# Altium PCB RevA2.PcbDoc (part 6 of 6)
Units mm, origin at the board's own origin, x right, y up, seen from the top; angles counter-clockwise.
Board outline 173 x 171 mm, 2 copper layers (Top Layer, Top, Bottom Layer, Bottom); 316 components, 437 nets, 1976 pads, 936 vias.
Unrouted connection lines stored in the file: 219.
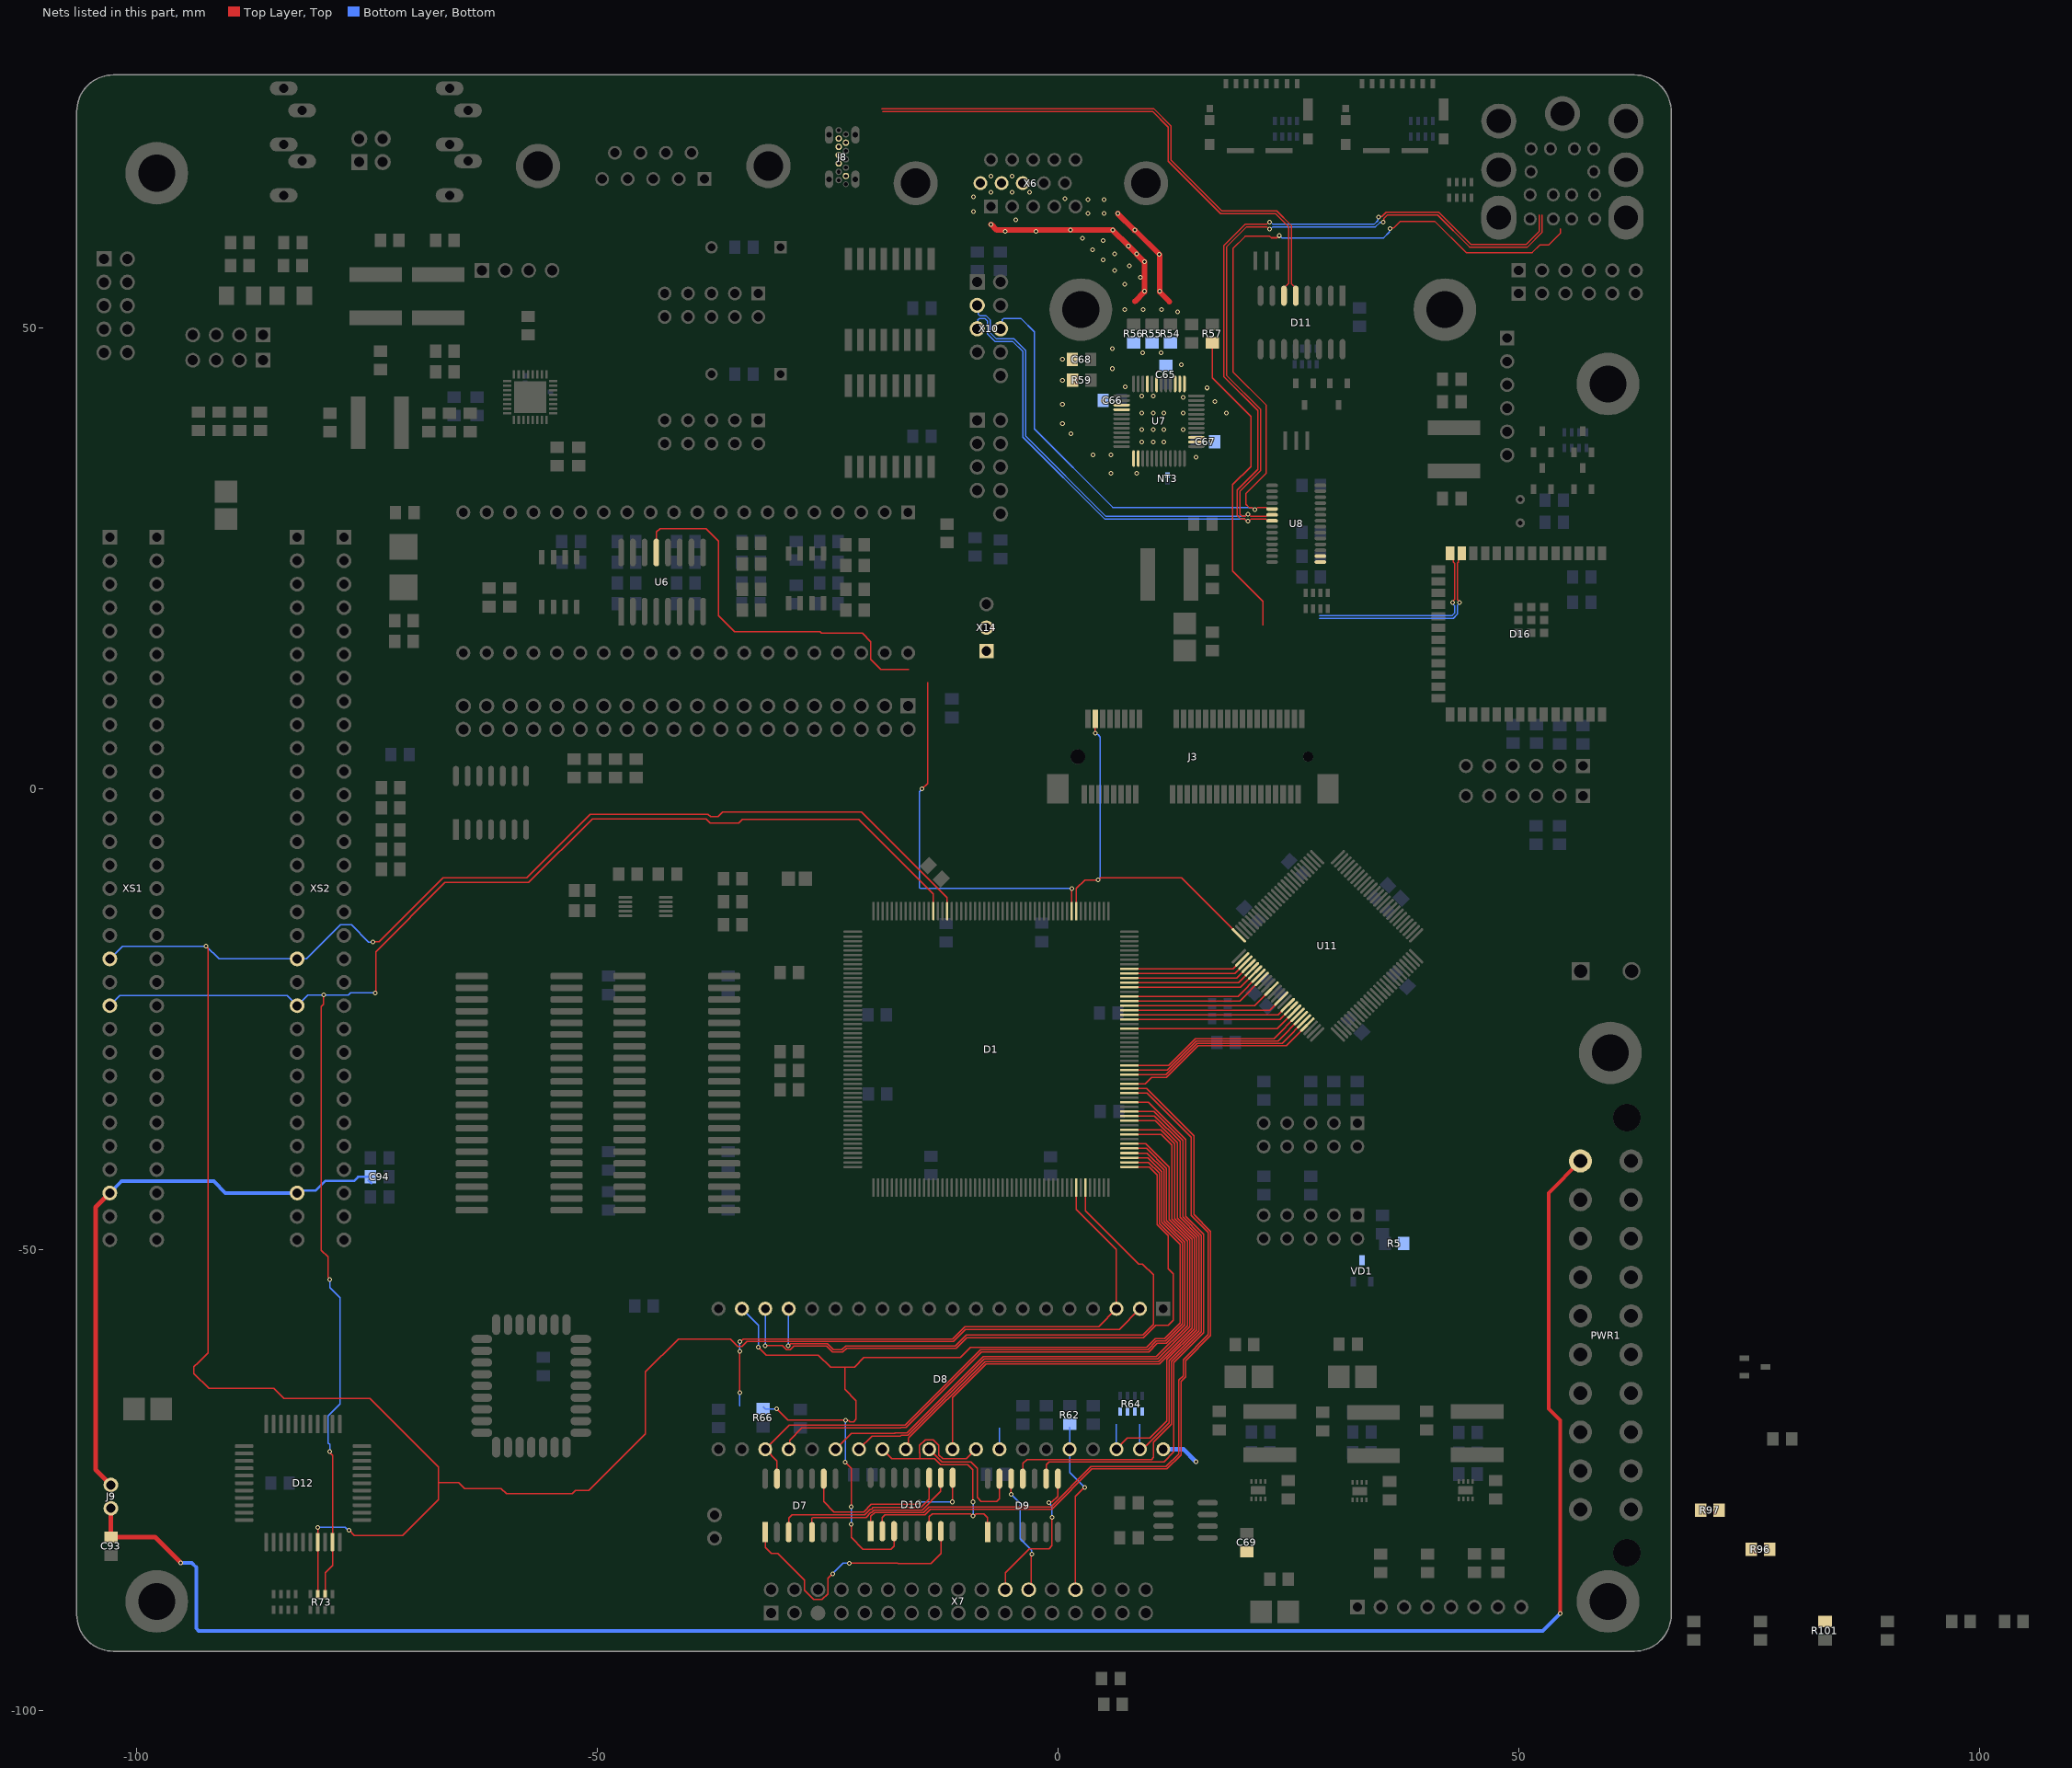
[diagram p6: the nets of this part, all layers, seen from the top]

## Via types
v1: diameter 0.5, hole 0.3, Top Layer, Top to Bottom Layer, Bottom, tented both sides, 925 vias
v2: diameter 0.5, hole 0.2, Top Layer, Top to Bottom Layer, Bottom, 6 vias
v3: diameter 1, hole 0.5, Top Layer, Top to Bottom Layer, Bottom, tented both sides, 4 vias
v4: diameter 1, hole 0.5, Top Layer, Top to Bottom Layer, Bottom, 1 vias

## Nets (pads, with @x,y where several pads share a name; then routed paths per layer and width w, separated by ;. In a path a pad name is that pad's centre, name@x,y a point inside that pad or via, vN(x,y) a via of type N, cw(c..) or ccw(c..) an arc to the next point about the centre after c; other vN are vias at no path point) (continued)
USB3_8_p: U8.5 X10.6 | length 116.7
  Top Layer, Top w0.15: U8.5@23.25,30.371 22.782,30.371 22.612,30.541 22.261,30.541 21.694,30.541 21.469,30.316 v1(21.381,30.316) 21.293,30.316 21.068,30.541 20.739,30.541 20.413,30.867 20.413,32.056 22.625,34.268 22.625,41.626 19,45.251 19,58.624 20.327,59.951 23.003,59.951 23.164,59.79 23.784,59.79 24.009,60.015 v1(24.045,60.015) ; v1(36.039,60.789) 36.101,60.851 36.419,60.851 37.118,61.55 40.935,61.55 44.303,58.181 51.473,58.181 52.292,59 53.248,59 54.532,60.284 54.532,60.75
  Bottom Layer, Bottom w0.15: X10.6@-6.21,49.92 -6.026,50.104 -6.026,50.882 -5.851,51.056 -4.011,51.056 -2.55,49.596 -2.55,39.051 5.96,30.541 21.068,30.541 21.293,30.316 v1(21.381,30.316) ; v1(24.045,60.015) 24.076,60.015 24.308,59.783 35.352,59.783 35.977,60.409 35.977,60.727 v1(36.039,60.789)
USB4_8_n: U8.6 X10.3 | length 121
  Top Layer, Top w0.15: v1(23,60.75) 22.912,60.75 22.687,60.975 20.475,60.975 18.3,58.8 18.3,44.875 22,41.175 22,34.541 19.75,32.291 19.75,29.812 20.001,29.561 20.312,29.561 20.537,29.786 v1(20.625,29.786) 20.713,29.786 20.938,29.561 22.612,29.561 22.782,29.731 U8.6@23.25,29.731 ; v1(35.319,61.509) 35.381,61.571 35.381,61.889 35.742,62.25 41.209,62.25 44.674,58.785 50.96,58.785 52.55,60.376 52.55,62.24
  Bottom Layer, Bottom w0.15: X10.3@-8.75,52.46 -8.641,52.351 -8.641,51.498 -8.5,51.356 -7.801,51.356 -7.31,50.866 -7.31,49.464 -6.666,48.82 -4.743,48.82 -3.5,47.577 -3.5,38.29 5.229,29.561 20.312,29.561 20.537,29.786 v1(20.625,29.786) ; v1(23,60.75) 23.088,60.75 23.313,60.975 34.467,60.975 34.939,61.447 35.257,61.447 v1(35.319,61.509)
USB4_8_p: U8.7 X10.5 | length 121.6
  Top Layer, Top w0.15: v1(23,61.5) 22.912,61.5 22.687,61.275 20.351,61.275 18,58.924 18,44.751 21.7,41.051 21.7,34.666 19.45,32.416 19.45,29.688 19.877,29.261 20.312,29.261 20.537,29.036 v1(20.625,29.036) 20.713,29.036 20.938,29.261 22.612,29.261 22.782,29.091 U8.7@23.25,29.091 ; v1(34.789,62.039) 34.851,62.101 35.169,62.101 35.618,62.55 41.333,62.55 44.798,59.085 50.835,59.085 52.25,60.5 52.25,62.24
  Bottom Layer, Bottom w0.15: X10.5@-8.75,49.92 -8.674,49.996 -8.674,50.882 -8.5,51.056 -7.925,51.056 -7.61,50.741 -7.61,49.34 -6.79,48.52 -4.867,48.52 -3.8,47.453 -3.8,38.166 5.105,29.261 20.312,29.261 20.537,29.036 v1(20.625,29.036) ; v1(23,61.5) 23.088,61.5 23.313,61.275 34.343,61.275 34.727,61.659 34.727,61.977 v1(34.789,62.039)
USB_1_n: D16.13 R96.1 X14.1 | length 22.2
  Top Layer, Top w0.15: v1(43.574,20.227) 43.574,20.315 43.349,20.54 43.349,22.891 43.347,22.893 43.347,24.483 43.461,24.596 43.461,25.204 D16.13@43.832,25.575
  Bottom Layer, Bottom w0.15: 28.382,18.504 34.613,18.504 34.62,18.51 42.904,18.51 43.346,18.951 43.346,19.915 43.574,20.143 v1(43.574,20.227)
USB_1_p: D16.14 R97.1 X14.2 | length 21.7
  Top Layer, Top w0.15: D16.14@42.562,25.575 42.934,25.203 42.934,24.589 43.047,24.475 43.047,22.743 43.049,22.741 43.049,20.54 42.824,20.315 v1(42.824,20.227)
  Bottom Layer, Bottom w0.15: 28.382,18.804 34.489,18.804 34.495,18.81 42.78,18.81 43.046,19.075 43.046,19.884 42.824,20.106 v1(42.824,20.227)
USB_DEV_8_n: D11.6 J8.B7 | length 59.1
  Top Layer, Top w0.15: -19,73.5 10.27,73.5 11.97,71.8 11.97,68.106 17.668,62.407 23.623,62.407 25.025,61.006 25.025,54.82 24.63,54.425 24.63,53.59 D11.6@24.54,53.5
USB_DEV_8_p: D11.5 J8.B6 | length 59.7
  Top Layer, Top w0.15: -19.124,73.8 10.394,73.8 12.27,71.924 12.27,68.23 17.793,62.707 23.748,62.707 25.325,61.13 25.325,54.819 25.72,54.425 25.72,53.59 D11.5@25.81,53.5
USB_HOST_8_n: R96.2 U8.15
USB_HOST_8_p: R97.2 U8.16
V\G\_\C\S\_1: D1.45 D8.3 R64.1 | length 64.2
  Top Layer, Top w0.127: v1(-34.504,-60.994) v1(-34.504,-65.496) v1@-34.5,-65.5 ; v1(-34.5,-59.938) -34.412,-59.938 -34.141,-59.667 -11.439,-59.667 -10.09,-58.318 4.432,-58.318 D8.3@6.36,-56.39 6.36,-49.959 2,-45.599 D1.45@2,-43.25
  Bottom Layer, Bottom w0.127: v1(-34.504,-65.496) -34.504,-66.896 -34.5,-66.9 ; v1(-34.504,-60.994) -34.502,-60.992 -34.502,-59.94 v1(-34.5,-59.938)
V\G\_\R\E\S\_1: D1.54 D8.19 D10.3 R66.2 | length 111.5
  Top Layer, Top w0.127: v1(-32.509,-60.538) -31.627,-61.42 -25.978,-61.42 -24.666,-62.733 -23.113,-62.733 ; v1(-30.5,-67.25) -29.28,-68.47 v1(-23.035,-68.47) -23.014,-68.492 -22.688,-68.492 -22.535,-68.645 -22.151,-68.645 -21.88,-68.373 -21.88,-66.372 -23.113,-65.138 -23.113,-62.733 ; v1(-23.085,-73.01) -22.41,-73.685 v1(-22.41,-77.872) ; v1(-22.41,-79.78) -22.41,-81.2 -21.144,-82.466 -18.111,-82.466 -17.77,-82.125 D10.3@-17.77,-80.52 ; D1.54@7.8,-40.5 9.854,-40.5 11.039,-41.685 11.039,-47.136 13.285,-49.382 13.285,-57.937 11.579,-59.642 10.59,-59.642 9.652,-60.58 -9.478,-60.58 -10.597,-61.699 -21.042,-61.699 -22.076,-62.733 -23.113,-62.733
  Bottom Layer, Bottom w0.127: D8.19@-34.27,-56.4 -32.504,-58.166 -32.504,-60.533 v1(-32.509,-60.538) ; R66.2@-31.975,-67 -31.725,-67.25 v1(-30.5,-67.25) ; v1(-23.085,-73.01) -23.06,-72.986 -23.06,-68.495 v1(-23.035,-68.47) ; v1(-22.41,-79.78) v1(-22.41,-77.872)
V_GND: C65.2 C66.2 C67.2 C68.2 NT3.2 R54.1 R55.1 R56.1 R59.1 U7.1 U7.2 U7.14 U7.15 U7.25 U7.26 U7.27 U7.31 U7.33 U7.39 U7.40 X6.6 X6.7 X6.8 | length 35
  Top Layer, Top w0.6: v1(-7.25,61.25) -6.626,60.626 v1(5.958,60.626) v1(7.679,58.905) v1(9.4,57.184) 9.4,53.917 8.366,52.884 ; v1(6.497,62.42) 8.329,60.589 8.411,60.589 11.05,57.95 11.05,53.917 12.109,52.859
  other v1: 5.75,34.25 8.575,34.25 15,36 3.825,36.25 5.75,36.25 9.119,37.645 10.331,37.645 11.5,37.645 16.629,37.751 1.405,38.539 9.119,39 10.331,39 11.5,39 13.575,39 0.5,39.645 9.119,40.795 10.331,40.795 11.5,40.795 13.575,40.795 18.3,40.795 0.5,41.75 17.052,42.039 4.925,42.145 13.575,42.495 9.119,42.645 10.331,42.645 16.207,43.5 7.331,43.62 0.5,44.345 5.9,45.595 13.375,46 0.5,46.595 9.225,47.32 11.225,47.32 5.9,47.75 13,51.75 7.25,52 9.25,52 11.25,52 9.4,54 11.05,54 7.25,54.75 8.95,55.5 6.175,56.25 7.75,56.75 4.904,57.401 11,58 6.175,58.045 8.539,58.045 3.75,58.5 4.904,59.5 2.66,59.75 -5.71,60.511 -2.377,60.511 1.38,60.626 8.366,60.626 -4.56,61.751 3.25,62.42 5,62.42 -9.14,62.64 3.25,63.92 5,63.92 0.77,64.013 -9.14,64.25 -7.25,64.75 -4.96,64.75 -3.06,64.75 -7.25,66.46 -4.96,66.46
VCC12: C93.1 J9.0 PWR1.10 | length 220.3
  Top Layer, Top w0.4: v1(54.5,-89.453) 54.5,-68.471 53.25,-67.221 53.25,-43.819 PWR1.10@56.706,-40.363
  Top Layer, Top w0.5: J9.0@-102.75,-78.04 C93.1@-102.75,-81.151 -97.96,-81.151 v1(-95.152,-83.959)
  Bottom Layer, Bottom w0.4: v1(-95.152,-83.959) -93.97,-83.959 -93.5,-84.43 -93.5,-91.047 -93.213,-91.334 -36.824,-91.334 -36.818,-91.34 -22.642,-91.34 -22.636,-91.334 52.62,-91.334 v1(54.5,-89.453)
VCC12S: C94.1 J9.1 XS1.B29 XS2.B29 | length 63.9
  Top Layer, Top w0.5: XS1.B29@-102.86,-43.83 -104.424,-45.394 -104.424,-73.826 J9.1@-102.75,-75.5
  Bottom Layer, Bottom w0.254: XS2.B29@-82.54,-43.83 -82.282,-43.572 -80.542,-43.572 -79.501,-42.531 -76.364,-42.531 -75.923,-42.09 C94.1@-74.583,-42.09 ; C94.1@-74.795,-42.455 C94.1@-74.5,-42.75
  Bottom Layer, Bottom w0.4: XS1.B29@-103.16,-44.13 XS1.B29@-102.86,-43.83 -101.583,-42.553 -91.603,-42.553 -90.326,-43.83 XS2.B29@-82.54,-43.83
VDAT0: D1.96 U11.52 | length 12.7
  Top Layer, Top w0.127: D1.96@7.75,-19.5 19,-19.5 U11.52@20,-18.5
VDAT1: D1.94 U11.54 | length 13.5
  Top Layer, Top w0.127: D1.94@7.75,-20.5 19.414,-20.5 U11.54@20.707,-19.207
VDAT2: D1.92 U11.56 | length 14.3
  Top Layer, Top w0.127: D1.92@7.75,-21.5 19.829,-21.5 U11.56@21.414,-19.914
VDAT3: D1.89 U11.58 | length 15.4
  Top Layer, Top w0.127: D1.89@7.75,-23 19.743,-23 U11.58@22.121,-20.621
VDAT4: D1.87 U11.64 | length 17
  Top Layer, Top w0.127: D1.87@7.75,-24 22.986,-24 U11.64@24.243,-22.743
VDAT5: D1.85 U11.67 | length 18
  Top Layer, Top w0.127: D1.85@7.75,-25 24.107,-25 U11.67@25.303,-23.803
VDAT6: D1.75 U11.69 | length 20.5
  Top Layer, Top w0.127: D1.75@7.75,-30 12.01,-30 14.918,-27.092 23.429,-27.092 U11.69@26.01,-24.51
VDAT7: D1.73 U11.71 | length 21.4
  Top Layer, Top w0.127: D1.73@7.75,-31 11.729,-31 15.129,-27.6 24.335,-27.6 24.635,-27.3 U11.71@26.718,-25.218
VDAT8: D1.71 U11.72 | length 22
  Top Layer, Top w0.127: D1.71@7.75,-32 9.498,-32 10.198,-31.3 11.788,-31.3 15.234,-27.854 24.788,-27.854 25.042,-27.6 U11.72@27.071,-25.571
VDAT9: D1.74 U11.70 | length 20.9
  Top Layer, Top w0.127: D1.74@7.75,-30.5 11.87,-30.5 15.023,-27.346 23.882,-27.346 U11.70@26.364,-24.864
VDAT10: D1.83 U11.68 | length 18.7
  Top Layer, Top w0.127: D1.83@7.75,-26 23.814,-26 U11.68@25.657,-24.157
VDAT11: D1.86 U11.66 | length 17.6
  Top Layer, Top w0.127: D1.86@7.75,-24.5 23.9,-24.5 U11.66@24.95,-23.45
VDAT12: D1.88 U11.61 | length 16.2
  Top Layer, Top w0.127: D1.88@7.75,-23.5 21.364,-23.5 U11.61@23.182,-21.682
VDAT13: D1.90 U11.57 | length 14.9
  Top Layer, Top w0.127: D1.90@7.75,-22.5 8.675,-22.5 19.536,-22.5 U11.57@21.768,-20.268
VDAT14: D1.93 U11.55 | length 13.9
  Top Layer, Top w0.127: D1.93@7.75,-21 19.622,-21 U11.55@21.061,-19.561
VDAT15: D1.95 U11.53 | length 13.1
  Top Layer, Top w0.127: D1.95@7.75,-20 19.207,-20 U11.53@20.354,-18.854
VG93_12V: C69.2 D8.40 R5.1 VD1.3 | length 4.1
  Bottom Layer, Bottom w0.4: D8.40@11.44,-71.63 11.453,-71.642 D8.40@11.458,-71.642
  Bottom Layer, Bottom w0.5: D8.40@11.458,-71.642 11.47,-71.655 13.665,-71.655 v1(15,-72.989)
VG_A0_1: D1.69 D10.1 | length 83
  Top Layer, Top w0.127: D10.1@-20.31,-80.52 -20.3,-80.51 -20.3,-78.916 -19.863,-78.479 -19.04,-78.479 -19.036,-78.475 -14.548,-78.475 -13.945,-77.872 -0.765,-77.872 3.61,-73.497 11.741,-73.497 13.106,-72.133 13.106,-64.144 13.601,-63.649 13.601,-61.931 16.333,-59.199 16.333,-48.12 14.455,-46.242 14.455,-37.754 9.701,-33 D1.69@7.75,-33
VG_A1_1: D1.70 D10.2 | length 82.5
  Top Layer, Top w0.127: D10.2@-19.04,-80.52 -19.04,-79.022 -18.747,-78.729 -14.443,-78.729 -13.839,-78.126 -0.659,-78.126 3.715,-73.751 11.846,-73.751 13.36,-72.238 13.36,-64.249 13.855,-63.754 13.855,-62.037 16.587,-59.305 16.587,-48.015 14.755,-46.183 14.755,-37.63 9.625,-32.5 D1.70@7.75,-32.5
VG_CLK_1: D1.56 D8.24 | length 71.4
  Top Layer, Top w0.127: D8.24@-29.2,-71.63 -29.103,-71.533 -29.103,-70.643 -27.766,-69.306 -17.035,-69.306 -16.989,-69.26 -16.472,-69.26 -8.3,-61.088 9.863,-61.088 10.8,-60.15 11.79,-60.15 13.793,-58.147 13.793,-49.172 11.547,-46.926 11.547,-41.345 9.702,-39.5 D1.56@7.75,-39.5
VG_DRQ_1: D1.63 D8.38 R64.3 | length 48.1
  Top Layer, Top w0.127: D8.38@6.36,-71.63 6.36,-71.613 7.554,-70.42 9.993,-70.42 11.836,-68.577 11.836,-61.9 15.063,-58.673 15.063,-48.646 12.955,-46.538 12.955,-38.376 10.579,-36 D1.63@7.75,-36
  Bottom Layer, Bottom w0.127: D8.38@6.36,-71.63 6.36,-68.902
VG_DS0_6: D7.3 D10.11 | length 19.9
  Top Layer, Top w0.127: D7.3@-29.21,-80.63 -29.21,-79.112 -28.816,-78.719 -20.951,-78.719 -20.358,-78.126 -20.228,-78.126 -20.07,-77.967 -14.892,-77.967 -13.96,-77.035 D10.11@-13.96,-74.805
VG_DS1_6: D7.5 D10.10 | length 18.1
  Top Layer, Top w0.127: D7.5@-26.67,-80.63 -26.67,-79.106 -26.582,-79.019 -20.827,-79.019 -20.287,-78.479 -20.222,-78.479 -19.964,-78.221 -14.718,-78.221 -12.7,-76.203 -12.7,-74.815 D10.10@-12.69,-74.805
VG_DS2_6: D7.9 D10.9 | length 19.9
  Top Layer, Top w0.127: D7.9@-25.4,-74.83 -25.4,-77.306 -24.287,-78.419 -21.075,-78.419 -20.232,-77.575 -15.33,-77.575 -15.105,-77.35 v1(-15.017,-77.35) ; v1(-11.436,-77.344) -11.432,-77.34 -11.432,-74.817 D10.9@-11.42,-74.805
  Bottom Layer, Bottom w0.127: v1(-15.017,-77.35) -15.015,-77.347 -11.438,-77.347 v1(-11.436,-77.344)
VG_DS3_6: D7.1 D10.7 | length 29.2
  Top Layer, Top w0.127: D7.1@-31.75,-80.63 -31.75,-82.267 -31.105,-82.912 -30.407,-82.912 -27.49,-85.829 -27.49,-86.925 -26.47,-87.945 -25.58,-87.945 -24.95,-87.315 -24.95,-85.649 v1(-24.44,-85.139) ; v1(-22.609,-84) -17.371,-84 ; -17.381,-84.008 -17.379,-84.008 ; -17.353,-84 -17.371,-84 ; D10.7@-12.69,-80.52 -12.69,-82.931 -13.767,-84.008 -17.379,-84.008 ; -17.379,-84.008 -17.371,-84
  Bottom Layer, Bottom w0.127: v1(-24.44,-85.139) -23.3,-84 v1(-22.609,-84)
VG_HRDY_1: D1.55 D7.13 D8.23 | length 76.3
  Top Layer, Top w0.127: D8.23@-31.74,-71.63 -29.116,-69.006 -16.577,-69.006 -8.406,-60.834 9.757,-60.834 10.695,-59.896 11.685,-59.896 13.539,-58.042 13.539,-49.277 11.293,-47.031 11.293,-41.515 9.778,-40 D1.55@7.75,-40 ; D8.23@-31.7,-71.6 -31.7,-71.67 -30.48,-72.89 D7.13@-30.48,-74.83
VG_IRQ_1: D1.64 D8.39 R64.2 | length 46.4
  Top Layer, Top w0.127: D1.64@7.75,-35.5 10.504,-35.5 13.255,-38.251 13.255,-46.479 15.317,-48.541 15.317,-58.778 12.09,-62.006 12.09,-68.747 9.208,-71.63 D8.39@8.9,-71.63
  Bottom Layer, Bottom w0.127: D8.39@8.9,-71.63 8.9,-68.902
VG_MOT_6: D8.28 D8.32 D9.1 D10.6 | length 35.5
  Top Layer, Top w0.127: D8.28@-19.04,-71.63 -18.003,-72.667 -14.991,-72.667 ; D10.6@-13.96,-80.52 -13.96,-78.965 -13.629,-78.634 -9.459,-78.634 -9.346,-78.747 -9.248,-78.747 v1@-9.199,-78.698 ; v1(-9.221,-77.344) -9.221,-73.834 -9.762,-73.293 -12.721,-73.293 -13.347,-72.667 -14.991,-72.667 ; v1(-9.199,-78.843) v1@-9.199,-78.698 ; D8.32@-8.88,-71.63 -9.927,-72.677 -12.488,-72.677 -12.923,-72.242 -12.923,-71.2 -13.53,-70.593 -14.389,-70.593 -14.997,-71.2 -14.997,-72.059 -14.991,-72.065 -14.991,-72.667 ; D9.1@-7.61,-80.52 -7.61,-79.063 -8.039,-78.634 -8.888,-78.634 -9.026,-78.772 -9.124,-78.772 v1@-9.199,-78.698
  Bottom Layer, Bottom w0.127: v1(-9.221,-77.344) -9.199,-77.367 v1(-9.199,-78.843)
VG_RAWR_1: D1.58 D8.27 | length 65
  Top Layer, Top w0.127: D8.27@-21.58,-71.63 -20.178,-70.228 -17.101,-70.228 -16.987,-70.114 -16.249,-70.114 -7.985,-61.85 10.809,-61.85 14.301,-58.358 14.301,-48.961 12.055,-46.716 12.055,-41.004 9.551,-38.5 D1.58@7.75,-38.5
VG_RCLK_1: D1.57 D8.26 | length 66.6
  Top Layer, Top w0.127: D8.26@-24.1,-71.61 -22.418,-69.928 -17.722,-69.928 -17.654,-69.86 -16.354,-69.86 -8.09,-61.596 10.703,-61.596 14.047,-58.252 14.047,-49.067 11.801,-46.821 11.801,-41.174 9.627,-39 D1.57@7.75,-39
VG_SIDE_1: D1.65 D9.11 | length 60.7
  Top Layer, Top w0.127: D9.11@-3.8,-74.932 -3.8,-73.174 -3.357,-72.731 -1.176,-72.731 -1.172,-72.735 10.164,-72.735 10.403,-72.496 10.403,-70.858 12.344,-68.918 12.344,-62.111 15.571,-58.884 15.571,-48.435 13.555,-46.42 13.555,-38.127 10.428,-35 D1.65@7.75,-35
VG_SL_1: D1.47 D8.17 | length 63.2
  Top Layer, Top w0.127: v1(-29.24,-60.385) -29.189,-60.385 -28.979,-60.175 -25.002,-60.175 -24.329,-60.848 -23.441,-60.848 -23.022,-60.429 -11.123,-60.429 -9.912,-59.218 9.218,-59.218 10.362,-58.074 10.362,-52.713 9.178,-51.529 8.779,-51.529 3,-45.75 D1.47@3,-43.25
  Bottom Layer, Bottom w0.127: v1(-29.24,-60.385) -29.228,-60.373 -29.228,-56.418 D8.17@-29.2,-56.39
VG_SR_1: D1.53 D8.18 | length 70.1
  Top Layer, Top w0.127: v1(-31.755,-60.385) -29.896,-60.385 -29.432,-60.848 -29.048,-60.848 -28.629,-60.429 -25.108,-60.429 -24.435,-61.102 -23.336,-61.102 -22.917,-60.683 -11.018,-60.683 -9.853,-59.518 9.277,-59.518 10.619,-58.177 11.968,-58.177 12.523,-57.621 12.523,-52.577 12,-52.054 12,-48.456 10.785,-47.242 10.785,-41.855 9.93,-41 D1.53@7.75,-41
  Bottom Layer, Bottom w0.127: v1(-31.755,-60.385) -31.733,-60.363 -31.733,-56.613 D8.18@-31.661,-56.541
VG_TR43_1: D1.60 D8.29 | length 62.9
  Top Layer, Top w0.127: D8.29@-16.5,-71.63 -16.238,-71.368 -16.238,-70.442 -16.164,-70.368 -16.143,-70.368 -7.88,-62.104 10.914,-62.104 14.555,-58.463 14.555,-48.856 12.355,-46.656 12.355,-38.624 11.231,-37.5 D1.60@7.75,-37.5
VG_WD_1: D1.61 D8.31 | length 61.4
  Top Layer, Top w0.127: D8.31@-11.42,-71.63 -11.42,-66.004 -7.774,-62.358 11.019,-62.358 14.809,-58.568 14.809,-48.751 12.655,-46.597 12.655,-38.5 11.155,-37 D1.61@7.75,-37
VG_WF_DE: D8.33 R64.4 | length 2.3
  Bottom Layer, Bottom w0.127: D8.33@-6.34,-71.63 -6.34,-69.304
VG_WRD_1: D1.67 D9.9 | length 59.8
  Top Layer, Top w0.127: D9.9@-1.26,-74.82 -1.26,-73.288 -0.961,-72.989 11.531,-72.989 12.598,-71.922 12.598,-62.216 15.825,-58.989 15.825,-48.33 13.855,-46.36 13.855,-38.003 9.852,-34 D1.67@7.75,-34
VSYNC_1: D1.112 J3.4 R57.1 R101.2 U11.50 | length 75.6
  Top Layer, Top w0.127: D1.112@2,-13.25 2,-10.797 2.934,-9.863 4.438,-9.863 4.647,-9.654 13.417,-9.654 U11.50@19.646,-15.884 ; v1(4.05,6.055) J3.4@4.05,7.6 ; R57.1@16.75,48.375 16.75,44.609 20.954,40.405 20.954,34.988 18.97,33.004 18.97,23.623 22.25,20.343 22.25,17.75
  Bottom Layer, Bottom w0.127: v1(4.05,6.055) 4.151,6.055 4.263,5.943 4.307,5.943 4.387,5.863 4.596,5.654 4.596,-9.603 4.387,-9.812 v1(4.387,-9.863)
VUSB: J8.A4 J8.A9 J8.B5 J8.B9
W\A\I\T\_1: D1.143 D12.21 R73.2 XS1.B21 XS2.B21 | length 174
  Top Layer, Top w0.127: v1(-79.677,-22.341) -79.677,-23.358 -79.917,-23.598 -79.917,-50.055 -79.2,-50.773 -79.2,-53 ; R73.2@-79.5,-87.35 -79.5,-85.05 -78.7,-84.25 D12.21@-78.7,-81.7 -78.7,-72.322 -79,-72.022 v1(-79,-71.9) ; v1(-74.054,-22.134) -74.008,-22.088 -74.008,-17.657 -66.509,-10.158 -65.585,-10.158 -57.428,-10.158 -50.509,-3.239 -38.185,-3.239 -37.714,-3.709 -34.639,-3.709 -34.216,-3.286 -21.596,-3.286 -13.5,-11.383 D1.143@-13.5,-13.25
  Bottom Layer, Bottom w0.127: XS1.B21@-103.184,-23.833 -101.785,-22.435 -83.615,-22.435 XS2.B21@-82.55,-23.5 ; XS2.B21@-82.54,-23.51 -81.371,-22.341 -79.586,-22.341 -79.577,-22.35 -76.962,-22.35 -76.747,-22.134 v1(-74.054,-22.134) ; v1(-79,-71.9) -79,-71.113 -79.175,-70.938 -79.175,-68.006 -77.905,-66.737 -77.905,-55.176 -79,-54.081 v1(-79,-53.2)
W\D\_6: D9.8 X7.22 | length 16
  Top Layer, Top w0.127: X7.22@-5.705,-86.87 -5.705,-85.046 -3.084,-82.425 -0.947,-82.425 -0.63,-82.108 v1(-0.63,-79.028) ; v1(-0.957,-77.408) -0.917,-77.368 -0.627,-77.368 0.01,-76.731 D9.8@0.01,-74.932
  Bottom Layer, Bottom w0.127: v1(-0.957,-77.408) -0.957,-77.469 -0.63,-77.795 v1(-0.63,-79.028)
W\G\_6: D9.12 X7.24 | length 13
  Top Layer, Top w0.127: v1(-5.07,-76.511) D9.12@-5.07,-74.932 ; X7.24@-3.165,-86.87 -2.89,-86.595 -2.89,-83.086 v1(-2.804,-83)
  Bottom Layer, Bottom w0.127: v1(-5.07,-76.511) -4.1,-77.481 -4.1,-81.315 -2.831,-82.584 -2.831,-82.973 v1(-2.804,-83)
W\P\_6: D8.36 R62.1 X7.28 | length 18.7
  Top Layer, Top w0.127: X7.28@1.915,-86.87 1.915,-76.756 v1(2.905,-75.766)
  Bottom Layer, Bottom w0.127: R62.1@1.25,-69.25 1.28,-69.28 D8.36@1.28,-71.63 1.28,-74.142 v1(2.905,-75.766)
W\R\_1: D1.140 D8.2 D12.19 R73.3 XS1.B19 XS2.B19 | length 299.5
  Top Layer, Top w0.127: v1(-92.425,-17.025) -92.425,-17.113 -92.2,-17.338 -92.2,-61.154 -93.25,-62.204 -93.738,-62.692 -93.738,-63.116 -93.75,-63.128 -93.75,-63.412 -92.124,-65.038 -85.047,-65.038 -83.985,-66.1 -74.632,-66.1 -67.2,-73.532 -67.2,-75.25 ; R73.3@-80.3,-87.35 D12.19@-80.3,-81.7 v1(-80.3,-80.1) ; v1(-76.9,-80.4) -76.325,-80.975 -71.075,-80.975 -67.2,-77.1 -67.2,-75.25 ; v1(-74.325,-16.612) -74.263,-16.55 -73.62,-16.55 -66.719,-9.65 -65.374,-9.65 -57.638,-9.65 -50.72,-2.731 -37.974,-2.731 -37.692,-3.013 -36.865,-3.013 -36.375,-2.524 -21.281,-2.524 -12.492,-11.313 -12,-11.805 D1.140@-12,-13.25 ; D8.2@8.9,-56.39 6.672,-58.618 -10.031,-58.618 -11.334,-59.921 -33.73,-59.921 -34.278,-60.469 -34.735,-60.469 -35.537,-59.667 -41.184,-59.667 -44.738,-63.221 -44.738,-69.965 -50.875,-76.103 -52.333,-76.103 -52.7,-76.47 -59.825,-76.47 -60.401,-75.893 -64.383,-75.893 -65.027,-75.25 -67.2,-75.25
  Bottom Layer, Bottom w0.127: XS1.B19@-103.235,-18.805 -101.492,-17.062 -92.462,-17.062 v1(-92.425,-17.025) ; v1@-92.425,-17.062 -92.388,-17.062 -91.02,-18.43 XS2.B19@-82.54,-18.43 -81.52,-18.43 -77.815,-14.725 -76.656,-14.725 -74.768,-16.612 v1(-74.325,-16.612) ; v1(-80.3,-80.1) -77.322,-80.1 -77.022,-80.4 v1(-76.9,-80.4)
WG_6: D8.30 D9.13 | length 14
  Top Layer, Top w0.127: D8.30@-13.96,-71.63 -12.597,-72.993 -9.425,-72.993 -8.739,-73.679 -8.739,-76.855 -8.312,-77.282 -6.622,-77.282 -6.34,-77 D9.13@-6.34,-74.932
WRDAC_1: D1.113 U6.13 | length 83.6
  Top Layer, Top w0.127: U6.13@-43.57,25.645 -43.57,27.858 -43.179,28.249 -38.163,28.249 -36.804,26.89 -36.804,18.799 -35.053,17.048 -25.799,17.048 -25.643,16.892 -21.21,16.892 -20.297,15.979 -20.297,14.06 -19.189,12.952 -16.145,12.952 ; v1(-14.75,0) -14.137,0.613 -14.137,11.549 ; D1.113@1.5,-13.25 1.5,-10.829 v1(1.525,-10.804)
  Bottom Layer, Bottom w0.127: v1(-14.75,0) -14.75,-0.059 -15.004,-0.313 -15.004,-10.716 -14.916,-10.804 v1(1.525,-10.804)
pads on no net: CD1.9 CD2.9 D1.62 D4.1 D4.30 D6.2 D6.5 D6.6 D6.7 D6.8 D6.9 D6.10 D6.11 D6.12 D6.13 D6.14 D6.15 D6.16 D6.17 D6.18 D6.19 D6.20 D6.21 D6.39 D8.1 D8.25 D10.12 D10.13 D10.14 D10.15 D11.15 D12.11 D12.17 D12.33 D12.39 J1.1 J1.2 J3. J4.3 J4.4 J4.5 J5.5 J6.4 J6.7 J6.9 J6.11 J6.13 J6.15 J6.17 J6.19 J6.21 J6.23 J6.25 J6.27 J6.29 J6.31 J6.33 J6.35 J6.37 J6.39 J6.40 J8.A5 J8.A6 J8.A7 J8.B4 MH1.0 MH2.0 MH3.0 MH4.0 MH5.0 MH6.0 MH7.0 P2.3 P2.4 P2.6 P2.7 P2.8 P2.10 PWR1.12 PWR1.18 PWR1.21 PWR1.22 R67.1 R67.8 R91.2 R92.2 RAM1.11 RAM1.12 RAM1.15 RAM1.16 RAM1.32 RAM2.11 RAM2.12 RAM2.15 RAM2.16 RAM2.32 U6.16 U7.36 U9.13 U10.13 U11.76 U11.77 U11.98 X1.1 X6.4 X6.5 X6.9 X6.11 X6.12 X6.15 X7.2 X7.4 X7.5 X7.34 X8.10 X10.10 X15.5 X17.8 X17.9 X17.12 X17.13 X18.1 X18.5 X19.1 X19.5 XS1.A5 XS1.A8 XS1.A17 XS1.A18 XS1.B4 XS1.B5 XS1.B20 XS1.B22 XS1.B23 XS2.A5 XS2.A8 XS2.A17 XS2.A18 XS2.A31 XS2.B4 XS2.B5 XS2.B20 XS2.B22 XS2.B23 XS2.B31
copper on no net: | length 60.4
  Top Layer, Top w0.127: 32.278,32.25 32.278,17.441 32.786,16.933 32.786,10.605 34.729,8.662 34.729,-3.105 41.968,-10.344 41.968,-19.309 40.922,-20.356 39.675,-20.356 38.173,-18.854

## Polygon pours and split planes (outlines as drawn)
V_GND on Top Layer, Top "V_GND_L01_P023" (solid, pour order 23): 18,33.75 18.75,34.5 18.75,41.75 13.5,47 13.5,52 11.391,54.109 11.391,58.109 5,64.5 -2.21,64.5 -3,65.29 -3,66.26 -3.74,67 -9.25,67 -9.75,66.5 -9.75,62.64 -7.36,60.25 1.16,60.25 6.66,54.75 6.75,54.75 6.75,49.75 5,48 0.5,48 0,47.5 0,39.175 0.075,39.175 5.5,33.75
GND on Top Layer, Top "Top Layer, Top-GND" (solid, remove dead copper, shelved, pour order 36): 66.55,-93.54 66.55,77.46 -106.45,77.46 -106.45,-93.54
3V3 on Top Layer, Top "Top Layer, Top-VCC3V3" (solid, pour order 6): -19.5,-40.8 5.5,-40.8 5.5,-15.6 -16.5,-15.6 -19.5,-18.6
GND on Top Layer, Top "GND_L01_P010" (solid, pour order 10): 48.5,20.5 48.5,14.387 54.25,14.387 54.25,20.5
V_GND on Bottom Layer, Bottom "V_GND_L02_P034" (solid, pour order 34): 15,33.75 18.75,37.5 18.75,41.75 13.5,47 13.5,52 11.391,54.109 11.391,58.109 5,64.5 -2.21,64.5 -3,65.29 -3,66.26 -3.74,67 -9.25,67 -9.75,66.5 -9.75,62.64 -7.36,60.25 1.16,60.25 6.66,54.75 6.75,54.75 6.75,49.75 5,48 0.5,48 0,47.5 0,39.175 0.075,39.175 5.5,33.75
GND on Bottom Layer, Bottom "Bottom Layer, Bottom-GND" (solid, remove dead copper, shelved, pour order 35): 66.55,77.46 -106.45,77.46 -106.45,-93.54 66.55,-93.54
AGND on Bottom Layer, Bottom "Bottom Layer, Bottom-AGND" (solid, remove dead copper, pour order 30): -73.75,13.5 -15,13.5 -15,31.25 -55.5,31.25 -55.5,44.5 -59.25,44.5 -59.25,43.5 -74,43.5 -76.25,45.75 -76.25,62.5 -60,62.5 -60,77.25 -106.25,77.25 -106.25,33 -73.75,33
SPKGND on Bottom Layer, Bottom "SPKGND_L02_P029" (solid, pour order 29): -59.25,43.5 -74,43.5 -76.25,45.75 -76.25,62.5 -53.5,62.5 -53.5,54 -53.5,44.5 -59.25,44.5
2V5 on Bottom Layer, Bottom "Bottom Layer, Bottom-VCC2V5" (solid, pour order 12): 5.5,-40.8 5.5,-15.6 -16.85,-15.6 -19.5,-18.25 -19.5,-40.8

## Keep-outs
Top Layer, Top:
  region: -15,13.5 -15,31.25 -55.5,31.25 -55.5,44.5 -53.342,44.5 -53.342,62.5 -60,62.5 -60,77.5 -106.5,77.5 -106.5,33 -73.75,33 -73.75,13.5
  region: 27.738,36.5 27.738,39 23.988,39 23.988,36.5
  region: 24.488,55.75 24.488,58.75 20.75,58.75 20.75,55.75
  lines w0.1: -49.95,-9.25 -49.75,-9.25
Bottom Layer, Bottom:
  lines w0.05: -106.45,32.71 -106.45,39.96 -106.45,55.648 -106.45,63.21
  lines w0.1: 48.194,18.311 48.194,20.915 50.798,20.915 ; 48.25,16.604 48.25,14 50.854,14 ; 51.896,14 54.5,14 54.5,16.604 ; 51.896,21 54.5,21 54.5,18.396
Keep-Out Layer, Board:
  region: 59.75,-6.75 59.7,-6.7 59.7,41 82,41 82,-6.75
  lines w0.1: -49.95,-15 -49.25,-14.3 -49.25,-13.1 ; -49.95,-9.25 -55,-9.25 -55,-15 -49.935,-15 ; -49.75,-9.25 -49.25,-9.75 -49.25,-11.9

## Other copper
Bottom Layer, Bottom:
  pour cut-out: -101.463,-84.33 -101.59,-84.457 -101.59,-91.823 -101.463,-91.95 -94.097,-91.95 -93.97,-91.823 -93.97,-84.457 -94.097,-84.33
  pour cut-out: 56.017,47.75 55.89,47.623 55.89,40.257 56.017,40.13 63.383,40.13 63.51,40.257 63.51,47.623 63.383,47.75
  pour cut-out: 56.017,-84.33 55.89,-84.457 55.89,-91.823 56.017,-91.95 63.383,-91.95 63.51,-91.823 63.51,-84.457 63.383,-84.33
  pour cut-out: -101.463,70.61 -101.59,70.483 -101.59,63.117 -101.463,62.99 -94.097,62.99 -93.97,63.117 -93.97,70.483 -94.097,70.61

## Silkscreen, mask and mechanical layers (free items; w line width, h text height)
Top Overlay, Top Silk:
  lines w0.127: 16.15,73.36 16.15,78.9 ; 36.25,-92.25 36.25,-90.25 ; 41.25,-92.25 41.25,-90.25 ; 46.5,-92.25 46.5,-90.25 ; -92.75,-22.25 -92.75,17.75 -86.75,17.75 -86.75,-22.25 -92.75,-22.25
  lines w0.254: -90.26,79.5 68.49,79.5 ; 8.9,76.96 62.24,76.96
  text "AUDIO OUT" at -79.25,73.067 h2 r270
  text "TAPE" at -76.25,72.29 h1.5
  text "TAPE IN" at -61.5,69.9 h1.8 r270
  text "IN" at -75.25,65.29 h1.5 r90
  text "OUT" at -72.75,63.54 h1.5 r90
  text "VGA" at 4.5,59 h2
  text "SPEAKERS" at -62.25,58.266 h1.52
  text "GND" at -99.309,57.016 h1.52
  text "T" at -106,57 h1.52
  text "USB 3-4" at -4.5,54.75 h2 r270
  text "+1" at -12.25,54.25 h2
  text "-" at -60.25,53.616 h2
  text "-" at -55.13,53.616 h2
  text "+" at -63,53.543 h2
  text "+" at -57.75,53.543 h2
  text "R" at -106,52 h1.52
  text "GND" at -91.33,51.016 h1.52
  text "R" at -94.25,51 h1.52
  text "L" at -86.5,51 h1.52
  text "SDCARD" at 50.796,49.525 h2 r270
  text "AUX 2" at -84.459,48.766 h1.52
  text "G" at -11.75,46.818 h2
  text "L" at -106,46.757 h1.52
  text "AUX 1" at -84.25,46.016 h1.52
  text "USB 1-2" at -4.479,40 h2 r270
  text "+1" at -12.25,39.5 h2
  text "G" at -11.75,31.818 h2
  text "Do not turn on closer than 42 meters from the power cable !!!" at -92.5,16.25 h3 r270
  text "AY38910" at -65.335,11.5 h2
  text "YM2149" at -56.89,11.5 h2
  text "ESP32 JTAG" at 45.102,4.521 h2
  text "I2C" at 40.62,0.5 h2 r270
  text "GND" at 43.849,-2.715 h1.3 r270
  text "SDA" at 54,-2.75 h1.3 r270
  text "5V" at 48.898,-2.816 h1.3 r270
  text "3.3V" at 46.379,-2.835 h1.3 r270
  text "SCL" at 51.472,-2.835 h1.3 r270
  text "WWW.NEDOPC.COM" at -72.682,-22.944 h1.6 r270
  text "based on the" at -71.016,-22.944 h1.52 r270
  text "(C) 2011" at -74.182,-31.944 h1.6 r270
  text "FPGA JTAG" at 23,-50.275 h1.8
  text "ZX Revolution / revision  A2.5" at -19.579,-53.25 h4
  text "VG93" at -37.582,-54.25 h2
  text "ROM" at -61.25,-55.3 h2
  text "ZXBUS2" at -84.925,-56.642 h3
  text "ZXBUS1" at -105.5,-56.75 h3
  text "12V enable" at -101,-75.25 h0.79 r270
  text "FDI" at -31.439,-83.484 h2
  text "Hard" at 32.75,-91 h1
  text "Soft" at 38.135,-91 h1
  text "+" at 42.25,-91.155 h1.5
  text "+" at 47.5,-91.155 h1.5
  text "reset" at 32.75,-92 h1
  text "reset" at 38,-92 h1
  text "ESP LED" at 42.66,-92 h0.79
  text "PWR LED" at 47.74,-92 h0.79
Top Solder, Top Mask:
  lines w0.127: -52,82 -35.5,82 ; -11.25,82.5 5.75,82.5
Mechanical 1, Top Assy:
  lines w0.05: -68.782,80.831 -62.838,80.831
  lines w0.1: -102.49,77.46 ccw(c-102.49,73.5) -106.45,73.5 -106.45,-89.579 ccw(c-102.49,-89.579) -102.49,-93.54 62.59,-93.54 ccw(c62.59,-89.579) 66.55,-89.579 66.55,73.499 ; -102.488,77.459 62.589,77.459 cw(c62.589,73.499) 66.549,73.499
Top Value:
  text "12 MHz" at -28.75,52.65 h1.3 r90
  text "BSS138" at 49,46.264 h1.3
  text "BC817" at -19.75,37.217 h1.3
  text "12 MHz" at 35.25,32.75 h1.3 r180
  text "USB_N" at 43.566,29.538 h1 r270
  text "USB_P" at 42.354,29.508 h1 r270
  text "DCLK" at 46.377,29.348 h1 r270
  text "STATUS" at 44.826,24.499 h1 r270
  text "DATA0" at 46.154,24.509 h1 r270
  text "MOUSE_CLK" at 51.269,24.504 h1 r270
  text "KEYB_CLK" at 52.543,24.512 h1 r270
  text "MOUSE_DAT" at 53.841,24.52 h1 r270
  text "PRGRST" at 56.261,24.5 h1 r270
  text "KEYB_DAT" at 55.115,24.48 h1 r270
  text "DCLK" at 47.31,24.467 h1 r270
  text "X2" at 48.584,24.429 h1 r270
  text "X1" at 49.887,24.437 h1 r270
  text "CPLD_SSEL" at 34.857,23.625 h1
  text "IO46" at 38.175,22.302 h1
  text "CONFIG_DONE" at 33.395,20.802 h1
  text "S_SSEL" at 36.706,19.736 h1
  text "S_MISO" at 36.706,18.483 h1
  text "S_SCLK" at 36.603,17.239 h1
  text "S_MOSI" at 36.669,15.995 h1
  text "CONFIG" at 36.566,14.547 h1
  text "SOFTRESET" at 42.268,14.56 h1 r270
  text "TAPE_BIT" at 35.45,13.428 h1
  text "M_SCLK" at 44.829,12.868 h1 r270
  text "DACLRC" at 49.861,12.855 h1 r270
  text "ADCDAT" at 52.424,12.855 h1 r270
  text "DACDAT" at 51.143,12.819 h1 r270
  text "M_SSEL" at 47.309,12.775 h1 r270
  text "I2C_SDA" at 57.531,12.744 h1 r270
  text "M_MOSI" at 43.548,12.721 h1 r270
  text "M_MOSI" at 46.072,12.712 h1 r270
  text "I2C_SCL" at 56.287,12.713 h1 r270
  text "ATX POWER" at 34.62,12.058 h1
  text "BCLK" at 48.562,11.547 h1 r270
  text "RXD" at 53.685,10.945 h1 r270
  text "TXD" at 54.864,10.937 h1 r270
  text "SPI_IRQ" at 36.48,10.844 h1
  text "IO45" at 38.043,9.498 h1
  text "25 MHz" at -55.514,-14.001 h1.3 r90
  text "2.5 V" at 14.491,-78.746 h1.52 r270
Top Assembly:
  lines w0.127: -1.75,3.5 46.25,3.5 46.25,77.25 13,77.25 13,60 -1.75,60 -1.75,3.5

## Text inside footprints (layer, text, board x,y; h text height)
D4: Top Value "WM8960" at -58.473,40.749 h1.2 r45
D13: Top Value "SST39SF040" at -60.231,-61.035 h1.5 r270
D17: Top Value "Si5351A" at -40.657,-14.756 h1.2 r90
J6: Top Overlay, Top Silk "2" at -14.137,6.081 h1.02; Top Overlay, Top Silk "1" at -14.25,8.5 h1.02; Top Overlay, Top Silk "39" at -68,8.417 h1.02; Top Overlay, Top Silk "40" at -68.25,5.877 h1.02
P2: Top Overlay, Top Silk "1" at -104.083,59.25 h1.02
U7: Top Value "ADV7125" at 8.604,39.499 h1.25
X6: Top Overlay, Top Silk "15" at 3.5,67.72 h1.02; Mechanical 2, Bot Assy "PCB Edge" at -2.93,68.99 h1.02 r180
X8: Top Overlay, Top Silk "1" at -10.909,39.492 h1.02
X10: Top Overlay, Top Silk "1" at -10.909,54.492 h1.02
X13: Top Overlay, Top Silk "9" at -50.195,68.47 h1.02; Mechanical 2, Bot Assy "PCB Edge" at -43.905,70.85 h1.02 r180